# Altium PCB Blue Tractor_v3.3-2022.PcbDoc (part 1 of 3) (continued)
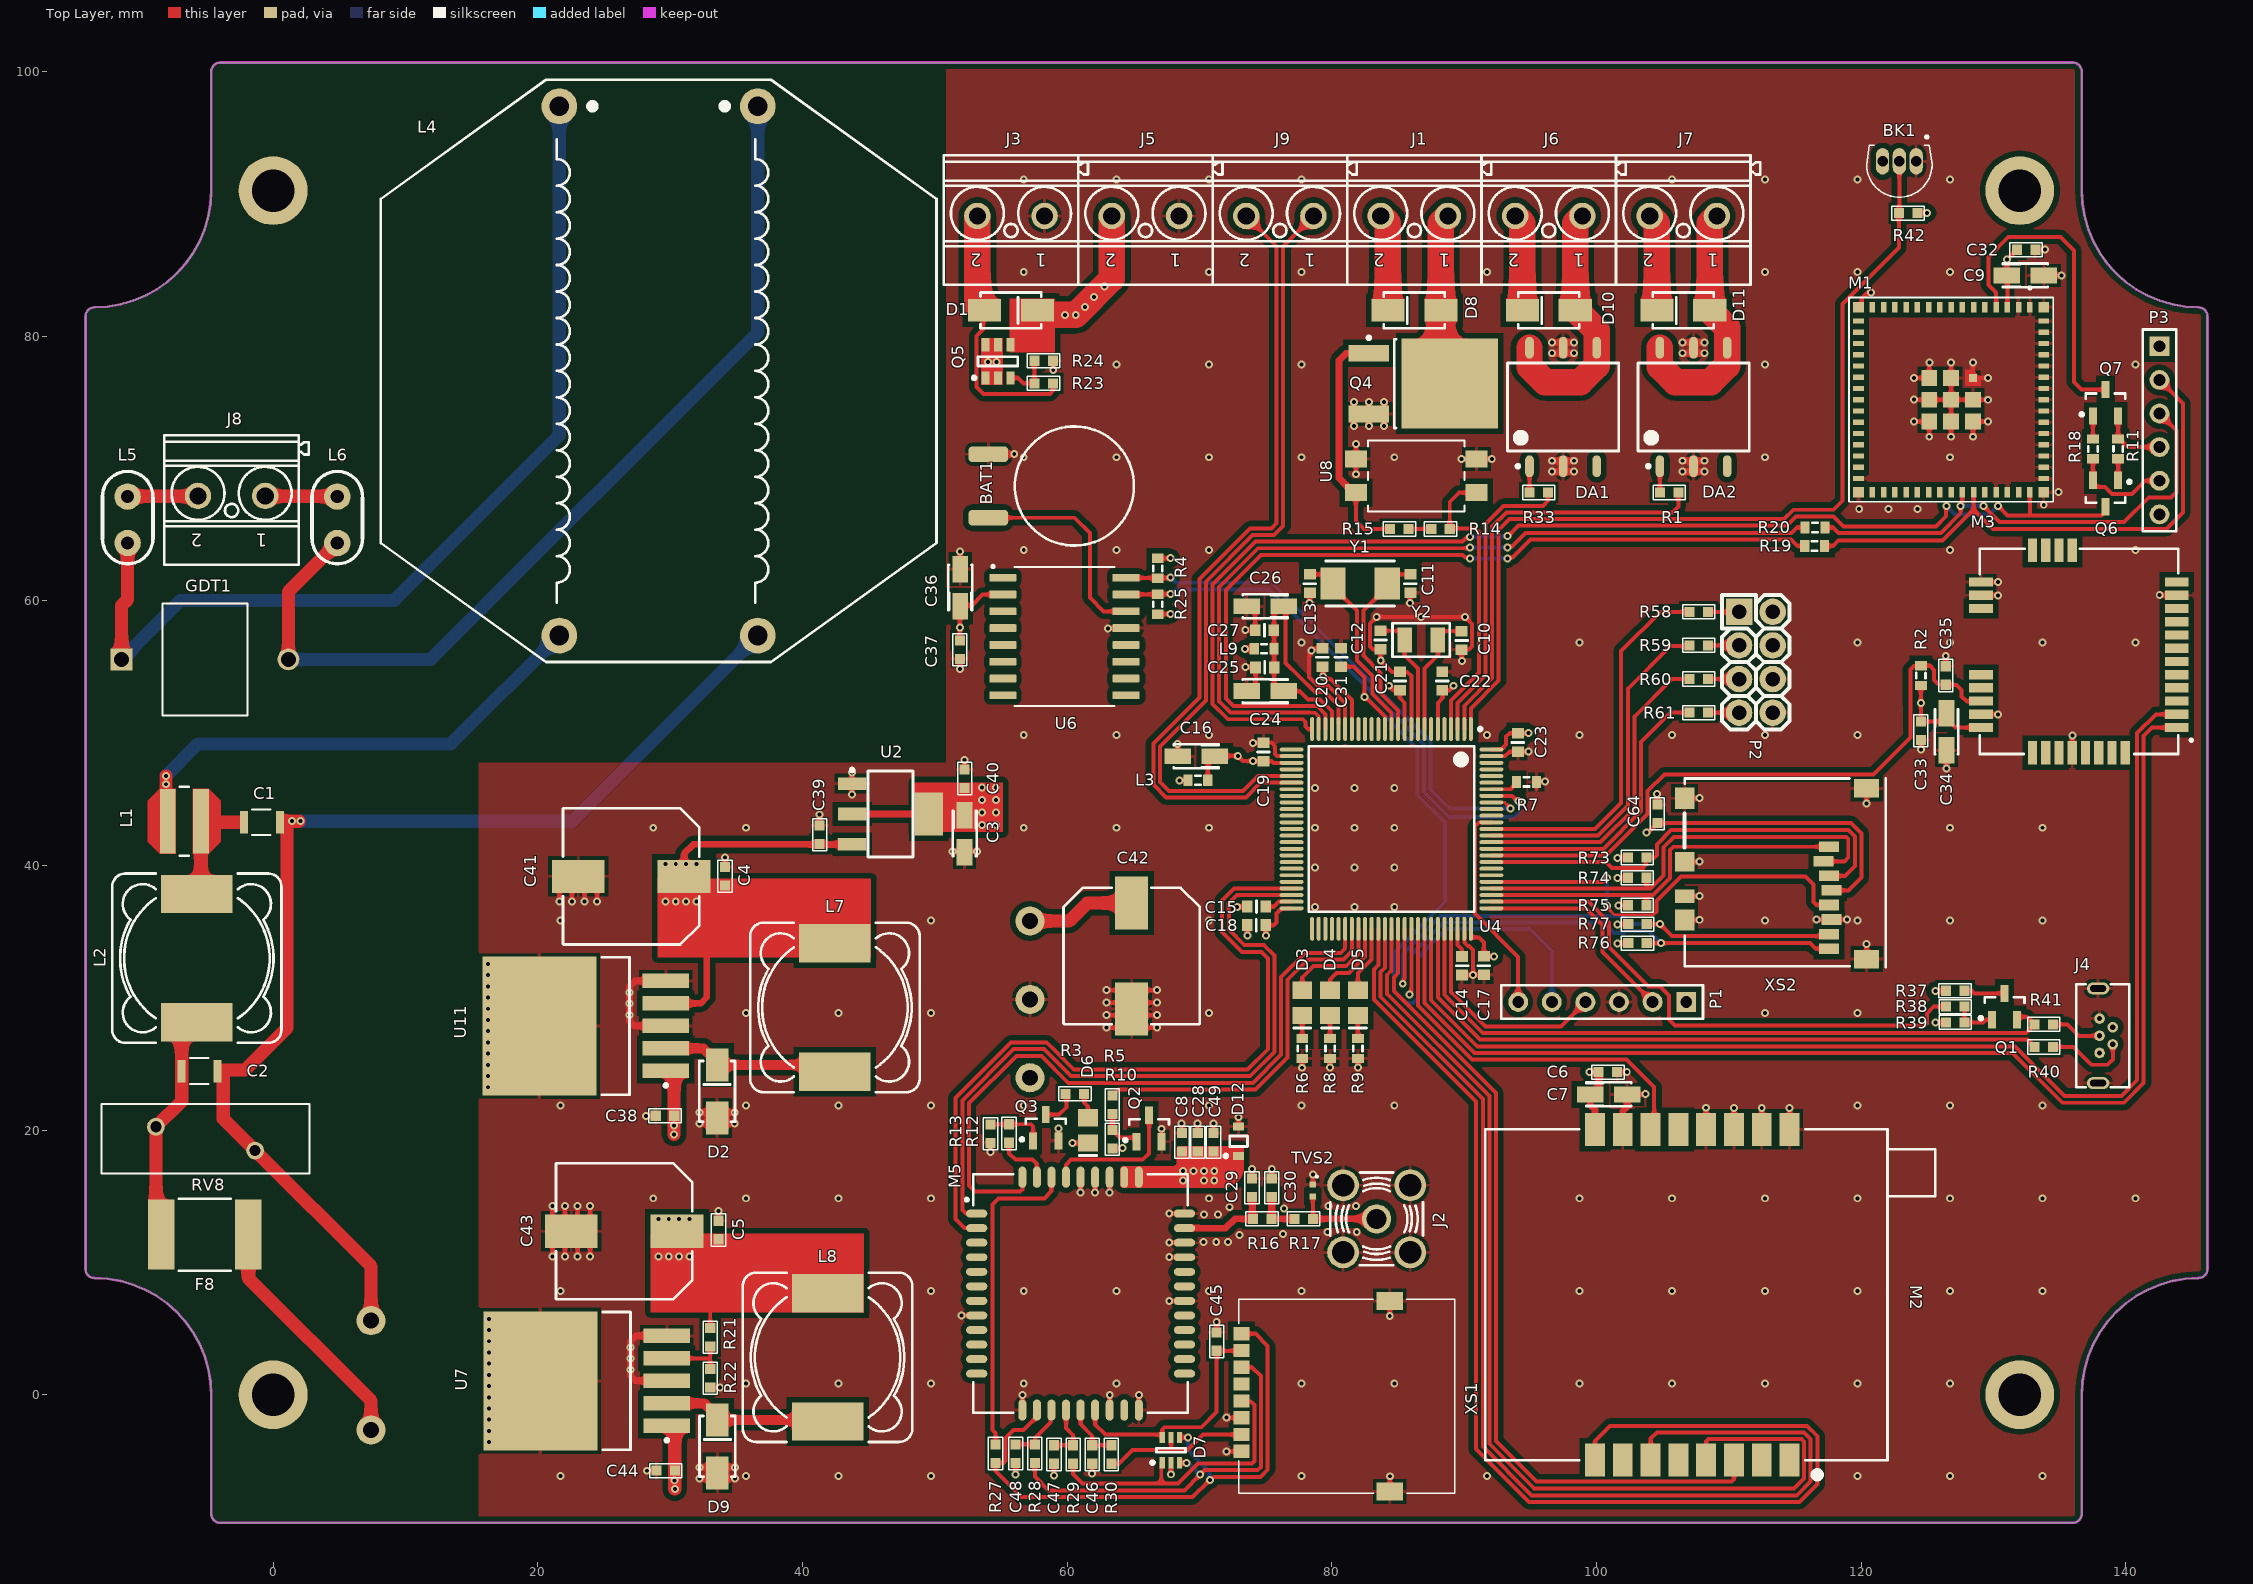
[diagram p0: Top Layer view]
## Part data (continued)
C4 C45: library part 1, "Chip Capacitor Nonpolar", Capacitance=100nF, Manufacturer=Kemet, Manufacturer Part Number=C0603C104K5RACTU, Operating Temperature="-55°C ~ 125°C", Package / Case="0603 (1608 Metric)", Ratings=-, Supplier Part Number 1=399-5089-1-ND, Temperature Coefficient=X7R, Tolerance=±10%, Voltage - Rated=50V, Applications="General Purpose", Category=Capacitors, ComponentLink1Description=http://www.kemet.com/docfinder?Partnumber=C0603C104K5RACTU, ComponentLink1URL=http://www.kemet.com/docfinder?Partnumber=C0603C104K5RACTU, Features=-, Height - Seated (Max)=-, Lead Spacing=-, Lead Style=-, Mounting Type="Surface Mount, MLCC", Packaging="Cut Tape (CT)", Pricing 1="1=0.1, 10=0.041, 50=0.0222, 100=0.0187, 250=0.01532, 500=0.0131, 1000=0.0102 (USD)", RoHS="RoHS Compliant", Size / Dimension="0.063\" L x 0.031\" W (1.60mm x 0.80mm)", Stock 1=3992655, Supplier 1=Digi-Key, Thickness (Max)="0.034\" (0.87mm)"
C5 C6 C8 C17 C18 C19 C20 C21 C22 C23 C29 C30 C31 C39 C40 C44 C64: library part 1, "Chip Capacitor Nonpolar", Capacitance=0.1µF, Manufacturer=Kemet, Manufacturer Part Number=C0603C104K5RACTU, Operating Temperature="-55°C ~ 125°C", Package / Case="0603 (1608 Metric)", Ratings=-, Supplier Part Number 1=399-5089-1-ND, Temperature Coefficient=X7R, Tolerance=±10%, Voltage - Rated=50V, Applications="General Purpose", Category=Capacitors, ComponentLink1Description=http://www.kemet.com/docfinder?Partnumber=C0603C104K5RACTU, ComponentLink1URL=http://www.kemet.com/docfinder?Partnumber=C0603C104K5RACTU, Features=-, Height - Seated (Max)=-, Lead Spacing=-, Lead Style=-, Mounting Type="Surface Mount, MLCC", Packaging="Cut Tape (CT)", Pricing 1="1=0.1, 10=0.041, 50=0.0222, 100=0.0187, 250=0.01532, 500=0.0131, 1000=0.0102 (USD)", RoHS="RoHS Compliant", Size / Dimension="0.063\" L x 0.031\" W (1.60mm x 0.80mm)", Stock 1=3992655, Supplier 1=Digi-Key, Thickness (Max)="0.034\" (0.87mm)"
C7 C9: library part 2, "CAP TANT 10UF 10% 16V 1206", Capacitance=10uF, Case Code (Imperial)=1206, Case Code (Metric)=3216, Dielectric Material=Tantalum, ESR (Equivalent Series Resistance)=3R, Leakage Current=1.6uA, Manufacturer="Vishay Sprague", Manufacturer Part Number=293D106X9016A2TE3, Max Operating Temperature=125°C, Min Operating Temperature=-55°C, Package Quantity=1, Ripple Current=160mA, Supplier Part Number 1=718-1123-1-ND, Tolerance=10%, Voltage=16V, Case/Package=1206, Category="Tantalum Capacitors", ComponentLink1Description=https://datasheet.ciiva.com/11793/0900766b80d97b37-11793412.pdf?src-supplier=RSComponents, ComponentLink1URL=https://datasheet.ciiva.com/11793/0900766b80d97b37-11793412.pdf?src-supplier=RSComponents, ComponentLink2Description=https://datasheet.ciiva.com/257/293d-257982.pdf?src-supplier=Digi-Key, ComponentLink2URL=https://datasheet.ciiva.com/257/293d-257982.pdf?src-supplier=Digi-Key, ComponentLink3Description=https://datasheet.ciiva.com/257/293d-257983.pdf?src-supplier=Digi-Key, ComponentLink3URL=https://datasheet.ciiva.com/257/293d-257983.pdf?src-supplier=Digi-Key, ComponentLink4Description=https://datasheet.ciiva.com/1463/293d-1463155.pdf?src-supplier=Element14, ComponentLink4URL=https://datasheet.ciiva.com/1463/293d-1463155.pdf?src-supplier=Element14, ComponentLink5Description=https://datasheet.ciiva.com/3003/293d-3003829.pdf?src-supplier=Avnet, ComponentLink5URL=https://datasheet.ciiva.com/3003/293d-3003829.pdf?src-supplier=Avnet, ComponentLink6Description=https://datasheet.ciiva.com/16308/293d-16308277.pdf?src-supplier=Future+Electronics, ComponentLink6URL=https://datasheet.ciiva.com/16308/293d-16308277.pdf?src-supplier=Future+Electronics, ComponentLink7Description=https://datasheet.ciiva.com/22695/1910915-22695111.pdf?src-supplier=Element14, ComponentLink7URL=https://datasheet.ciiva.com/22695/1910915-22695111.pdf?src-supplier=Element14, ComponentLink8Description=https://datasheet.ciiva.com/257/293d-257981.pdf?src-supplier=Digi-Key, ComponentLink8URL=https://datasheet.ciiva.com/257/293d-257981.pdf?src-supplier=Digi-Key, Depth=1.6mm, Dissipation Factor=6%, Features="General Purpose", Height=1.6mm, Height - Seated (Max)=0.071inch, Lead Free="Lead Free", Length=3.2mm, Mount="Surface Mount,PCB", Packaging="Tape and Reel", Polarity=Polar, Pricing 1="1=0,54000, 10=0,38000, 50=0,28720, 100=0,25010, 500=0,18524, 1000=0,15745 (USD)", Q Factor=6, Radiation Hardening=No, REACH SVHC=Unknown, RoHS=Yes, RoHS Compliant=Yes, Series="TANTAMOUNT® 293D", Stock 1=76138, Supplier 1=Digi-Key, Termination=SMD/SMT, Voltage Rating=16V, Voltage Rating (DC)=16V, Width=1.6mm
C10 C12: library part 1, "Chip Capacitor Nonpolar", Capacitance=12pF, Case Code (Imperial)=0603, Case Code (Metric)=1608, Dielectric=C0G, Dielectric Material=Ceramic, Manufacturer=KEMET, Manufacturer Part Number=C0603C120J5GAC-TU, Max Operating Temperature=125°C, Min Operating Temperature=-55°C, Supplier Part Number 1=399-1050-6-ND, Temperature Coefficient=30ppm/°C, Tolerance=5%, Voltage=50V, Case/Package=0603, ComponentLink1Description=https://datasheet.ciiva.com/144/docfinderpartnumber-c0603c120j5gactu-144403.pdf, ComponentLink1URL=https://datasheet.ciiva.com/144/docfinderpartnumber-c0603c120j5gactu-144403.pdf, ComponentLink2Description=https://datasheet.ciiva.com/6136/1725436-6136442.pdf, ComponentLink2URL=https://datasheet.ciiva.com/6136/1725436-6136442.pdf, ComponentLink3Description=https://datasheet.ciiva.com/7823/1725436-7823611.pdf, ComponentLink3URL=https://datasheet.ciiva.com/7823/1725436-7823611.pdf, ComponentLink4Description=https://datasheet.ciiva.com/14589/70095383-14589483.pdf, ComponentLink4URL=https://datasheet.ciiva.com/14589/70095383-14589483.pdf, ComponentLink5Description=https://datasheet.ciiva.com/28608/1372242-28608539.pdf, ComponentLink5URL=https://datasheet.ciiva.com/28608/1372242-28608539.pdf, ComponentLink6Description=https://datasheet.ciiva.com/7823/1725436-7823612.pdf, ComponentLink6URL=https://datasheet.ciiva.com/7823/1725436-7823612.pdf, ComponentLink7Description=https://datasheet.ciiva.com/14610/70095383-14610590.pdf, ComponentLink7URL=https://datasheet.ciiva.com/14610/70095383-14610590.pdf, ComponentLink8Description=https://datasheet.ciiva.com/28645/1789732-28645662.pdf, ComponentLink8URL=https://datasheet.ciiva.com/28645/1789732-28645662.pdf, Contact Material=Tin, Depth=0.8mm, Height=0.8mm, Lead Free="Lead Free", Lead Pitch=0.7mm, Length=1.6mm, Mount="Surface Mount,PCB", Number of Pins=2, Package Quantity=1, Packaging="Tape and Reel", Pricing 1="1=0.1, 10=0.055, 100=0.0247, 500=0.01764, 1000=0.01385 (USD)", Radiation Hardening=No, REACH SVHC="No SVHC", Stock 1=40000, Supplier 1=Digi-Key, Termination=SMD/SMT, Thickness=0.034inch, Voltage Rating=50V, Voltage Rating (DC)=50V, Weight=7.1E-05oz, Width=0.8mm
C11 C13: library part 1, "Chip Capacitor Nonpolar", Capacitance=28pF, Case Code (Imperial)=0603, Case Code (Metric)=1608, Dielectric=C0G, Dielectric Material=Ceramic, Manufacturer=KEMET, Manufacturer Part Number=C0603C180K5GACTU, Max Operating Temperature=125°C, Min Operating Temperature=-55°C, Supplier Part Number 1=399-7866-6-ND, Tolerance=10%, Voltage Rating=50V, Case/Package=0603, ComponentLink1Description=http://www.mouser.com/ds/2/212/KEM_C1003_C0G_SMD-1101588.pdf, ComponentLink1URL=http://www.mouser.com/ds/2/212/KEM_C1003_C0G_SMD-1101588.pdf, ComponentLink2Description=https://search.kemet.com/component-edge/download/datasheet/C0603C180K5GACTU.pdf, ComponentLink2URL=https://search.kemet.com/component-edge/download/datasheet/C0603C180K5GACTU.pdf, ComponentLink3Description=https://api.kemet.com/component-edge/download/datasheet/C0603C180K5GACTU.pdf, ComponentLink3URL=https://api.kemet.com/component-edge/download/datasheet/C0603C180K5GACTU.pdf, ComponentLink4Description=http://components.arrow.com/part/dataview/2088557S6525245N7429, ComponentLink4URL=http://components.arrow.com/part/dataview/2088557S6525245N7429, ComponentLink5Description=http://capacitoredge.kemet.com/capedge2/DataSheet?pn=C0603C180K5GAC7867, ComponentLink5URL=http://capacitoredge.kemet.com/capedge2/DataSheet?pn=C0603C180K5GAC7867, Depth=0.8mm, Height=0.8mm, Lead Free="Lead Free", Lead Pitch=0.7mm, Length=1.6mm, Mount="Surface Mount", Package Quantity=1, Packaging="Tape and Reel", Pricing 1="1=0.1, 10=0.071, 100=0.0317, 500=0.02262, 1000=0.01777 (USD)", Radiation Hardening=No, REACH SVHC="No SVHC", Stock 1=40000, Supplier 1=Digi-Key, Termination=SMD/SMT, Thickness=0.034inch, Voltage Rating (DC)=50V, Width=0.031inch
C14 C15: library part 1, "Chip Capacitor Nonpolar", Capacitance=2.2uF, Case Code (Imperial)=0805, Case Code (Metric)=2012, Manufacturer=Samsung, Manufacturer Part Number=CL21A225KAFNNNG, Max Operating Temperature=85°C, Min Operating Temperature=-55°C, Package Quantity=3000, Supplier Part Number 1=1276-6458-6-ND, Tolerance=10%, Voltage Rating=25V, Case/Package=0805, ComponentLink1Description=http://www.kemet.com/docfinder?Partnumber=C0603C104K5RACTU, ComponentLink1URL=http://www.kemet.com/docfinder?Partnumber=C0603C104K5RACTU, ComponentLink2Description=https://datasheet.ciiva.com/25730/cl21a225kafnnng-25730829.pdf, ComponentLink2URL=https://datasheet.ciiva.com/25730/cl21a225kafnnng-25730829.pdf, ComponentLink3Description=https://datasheet.ciiva.com/29199/455579-da-01-en-vs-kondensator-0805-29199247.pdf, ComponentLink3URL=https://datasheet.ciiva.com/29199/455579-da-01-en-vs-kondensator-0805-29199247.pdf, Length=0.079inch, Material=Ceramic, Mount="Surface Mount", Packaging="Tape and Reel", Pricing 1="1=0.14, 10=0.103, 100=0.0458, 500=0.03268, 1000=0.02568 (USD)", Stock 1=8820, Supplier 1=Digi-Key, Thickness=0.053inch, Width=0.049inch
C16: library part 2, "Tantalum Capacitor", Capacitance=10µF, ESR (Equivalent Series Resistance)="7 Ohm", Lifetime @ Temp.="2000 Hrs @ 85°C", Manufacturer=Kemet, Manufacturer Part Number=T491A106K016AT, Manufacturer Size Code=A, Operating Temperature="-55°C ~ 125°C", Package / Case="1206 (3216 Metric)", Supplier Part Number 1=399-8269-1-ND, Tolerance=±10%, Voltage - Rated=16V, Category=Capacitors, ComponentLink1Description=http://www.kemet.com/Lists/ProductCatalog/Attachments/254/KEM_T2005_T491.pdf, ComponentLink1URL=http://www.kemet.com/Lists/ProductCatalog/Attachments/254/KEM_T2005_T491.pdf, Features="General Purpose", Height - Seated (Max)="0.071\" (1.80mm)", Lead Spacing=-, Mounting Type="Surface Mount", Packaging="Cut Tape (CT)", Pricing 1="1=0.41, 10=0.362, 50=0.2198, 100=0.181, 250=0.14476, 500=0.13184, 1000=0.11891 (USD)", RoHS="RoHS Compliant", Size / Dimension="0.126\" L x 0.063\" W (3.20mm x 1.60mm)", Stock 1=46669, Supplier 1=Digi-Key, Type=Molded
C24 C26: library part 2, "Tantalum Capacitor", Capacitance=1uF, Case Code (Imperial)=1206, Case Code (Metric)=3216, Dielectric Material=Tantalum, ESR (Equivalent Series Resistance)=9.3R, Leakage Current=500nA, Manufacturer="Vishay Sprague", Manufacturer Part Number=293D105X9016A2TE3, Max Operating Temperature=125°C, Min Operating Temperature=-55°C, Package Quantity=1, Ripple Current=90mA, Supplier Part Number 1=718-1113-6-ND, Tolerance=10%, Voltage=16V, Case/Package=1206, ComponentLink1Description=http://www.kemet.com/Lists/ProductCatalog/Attachments/254/KEM_T2005_T491.pdf, ComponentLink1URL=http://www.kemet.com/Lists/ProductCatalog/Attachments/254/KEM_T2005_T491.pdf, ComponentLink2Description=https://datasheet.ciiva.com/11793/0900766b80d97b37-11793487.pdf, ComponentLink2URL=https://datasheet.ciiva.com/11793/0900766b80d97b37-11793487.pdf, ComponentLink3Description=https://datasheet.ciiva.com/26328/453930-da-01-en-smd-kondensator-293d105x9016a2te3-2000st-26328789.pdf, ComponentLink3URL=https://datasheet.ciiva.com/26328/453930-da-01-en-smd-kondensator-293d105x9016a2te3-2000st-26328789.pdf, ComponentLink4Description=https://datasheet.ciiva.com/257/293d-257909.pdf, ComponentLink4URL=https://datasheet.ciiva.com/257/293d-257909.pdf, ComponentLink5Description=https://datasheet.ciiva.com/257/293d-257910.pdf, ComponentLink5URL=https://datasheet.ciiva.com/257/293d-257910.pdf, ComponentLink6Description=https://datasheet.ciiva.com/16199/293d-16199270.pdf, ComponentLink6URL=https://datasheet.ciiva.com/16199/293d-16199270.pdf, ComponentLink7Description=https://datasheet.ciiva.com/257/293d-257911.pdf, ComponentLink7URL=https://datasheet.ciiva.com/257/293d-257911.pdf, ComponentLink8Description=https://datasheet.ciiva.com/3003/293d-3003799.pdf, ComponentLink8URL=https://datasheet.ciiva.com/3003/293d-3003799.pdf, ComponentLink9Description=https://datasheet.ciiva.com/11244/293d-11244087.pdf, ComponentLink9URL=https://datasheet.ciiva.com/11244/293d-11244087.pdf, ComponentLink10Description=https://datasheet.ciiva.com/46382/1910915-46382039.pdf, ComponentLink10URL=https://datasheet.ciiva.com/46382/1910915-46382039.pdf, ComponentLink11Description=https://datasheet.ciiva.com/3003/293d-3003800.pdf, ComponentLink11URL=https://datasheet.ciiva.com/3003/293d-3003800.pdf, ComponentLink12Description=https://datasheet.ciiva.com/18445/70212567-18445480.pdf, ComponentLink12URL=https://datasheet.ciiva.com/18445/70212567-18445480.pdf, ComponentLink13Description=https://datasheet.ciiva.com/1463/438417-1463146.pdf, ComponentLink13URL=https://datasheet.ciiva.com/1463/438417-1463146.pdf, ComponentLink14Description=https://datasheet.ciiva.com/12884/293d-239871-12884475.pdf, ComponentLink14URL=https://datasheet.ciiva.com/12884/293d-239871-12884475.pdf, ComponentLink15Description=https://datasheet.ciiva.com/22695/438417-22695102.pdf, ComponentLink15URL=https://datasheet.ciiva.com/22695/438417-22695102.pdf, ComponentLink16Description=https://datasheet.ciiva.com/6071/1748031-6071279.pdf, ComponentLink16URL=https://datasheet.ciiva.com/6071/1748031-6071279.pdf, Depth=1.6mm, Dissipation Factor=4%, Features="General Purpose", Height=1.6mm, Height - Seated (Max)=0.071inch, Lead Free="Lead Free", Length=3.2mm, Mount="Surface Mount,PCB", Packaging="Tape and Reel", Polarity=Polar, Pricing 1="1=0.33, 10=0.228, 100=0.1369, 500=0.1027, 1000=0.08672 (USD)", Radiation Hardening=No, REACH SVHC=Unknown, Stock 1=0, Supplier 1=Digi-Key, Termination=SMD/SMT, Voltage Rating=16V, Voltage Rating (DC)=16V, Width=1.6mm
C25 C27: library part 1, "Chip Capacitor Nonpolar", Capacitance=10nF, Case Code (Imperial)=0603, Case Code (Metric)=1608, Manufacturer=Samsung, Manufacturer Part Number=CL10B103KB8WPNC, Max Operating Temperature=125°C, Min Operating Temperature=-55°C, Supplier Part Number 1=1276-6841-6-ND, Tolerance=10%, Voltage Rating=50V, Case/Package=0603, ComponentLink1Description=http://www.kemet.com/docfinder?Partnumber=C0603C104K5RACTU, ComponentLink1URL=http://www.kemet.com/docfinder?Partnumber=C0603C104K5RACTU, Lead Free="Lead Free", Length=0.063inch, Mount="Surface Mount", Packaging="Tape and Reel", Pricing 1="1=0.1, 10=0.076, 100=0.0338, 500=0.02416, 1000=0.01898 (USD)", Stock 1=11590, Supplier 1=Digi-Key, Thickness=0.035inch, Width=0.031inch
C28: library part 1, "Chip Capacitor Nonpolar", Capacitance=33pF, Manufacturer=Kemet, Manufacturer Part Number=C0603C104K5RACTU, Operating Temperature="-55°C ~ 125°C", Package / Case="0603 (1608 Metric)", Ratings=-, Supplier Part Number 1=399-5089-1-ND, Temperature Coefficient=X7R, Tolerance=±10%, Voltage - Rated=50V, Applications="General Purpose", Category=Capacitors, ComponentLink1Description=http://www.kemet.com/docfinder?Partnumber=C0603C104K5RACTU, ComponentLink1URL=http://www.kemet.com/docfinder?Partnumber=C0603C104K5RACTU, Features=-, Height - Seated (Max)=-, Lead Spacing=-, Lead Style=-, Mounting Type="Surface Mount, MLCC", Packaging="Cut Tape (CT)", Pricing 1="1=0.1, 10=0.041, 50=0.0222, 100=0.0187, 250=0.01532, 500=0.0131, 1000=0.0102 (USD)", RoHS="RoHS Compliant", Size / Dimension="0.063\" L x 0.031\" W (1.60mm x 0.80mm)", Stock 1=3992655, Supplier 1=Digi-Key, Thickness (Max)="0.034\" (0.87mm)"
C32: "Capacitor"
C33 C35: library part 1, "Cap Ceramic 0.1uF 50VDC X7R 10% SMD 0603 Paper T/R", Capacitance=100nF, Case/Package=0603, Case Code (Metric)=1608, Dielectric=X7R, Manufacturer=Samsung, Manufacturer Part Number=CL10B104KB8NNNC, Max Operating Temperature=125°C, Min Operating Temperature=-55°C, Supplier Part Number 1=1276-1000-1-ND, Tolerance=10%, Voltage=50V, Case Code (Imperial)=0603, Category="Ceramic Capacitors", ComponentLink1Description=http://www.kemet.com/docfinder?Partnumber=C0603C104K5RACTU, ComponentLink1URL=http://www.kemet.com/docfinder?Partnumber=C0603C104K5RACTU, ComponentLink2Description=https://datasheet.ciiva.com/25803/cl10b104kb8nnnc-25803393.pdf?src-supplier=Digi-Key, ComponentLink2URL=https://datasheet.ciiva.com/25803/cl10b104kb8nnnc-25803393.pdf?src-supplier=Digi-Key, ComponentLink3Description=https://datasheet.ciiva.com/26838/getdatasheetpartid-89097-26838411.pdf?src-supplier=Verical, ComponentLink3URL=https://datasheet.ciiva.com/26838/getdatasheetpartid-89097-26838411.pdf?src-supplier=Verical, ComponentLink4Description=https://datasheet.ciiva.com/29198/456651-da-01-en-vs-kondensator-0605-29198839.pdf?src-supplier=Conrad, ComponentLink4URL=https://datasheet.ciiva.com/29198/456651-da-01-en-vs-kondensator-0605-29198839.pdf?src-supplier=Conrad, Contact Plating=Tin, Depth=0.8mm, Height=0.8mm, Lead Free="Lead Free", Length=1.6mm, Material=Ceramic, Mount="Surface Mount", Package Quantity=1, Packaging="Tape and Reel", Pricing 1="1=0,10000, 10=0,03200, 50=0,01720, 100=0,01410, 500=0,01008, 1000=0,00793 (USD)", Radiation Hardening=No, RoHS=Yes, Stock 1=17279119, Supplier 1=Digi-Key, Thickness=0.035inch, Voltage Rating=50V, Voltage Rating (DC)=50V, Width=0.031inch
C34: library part 2, "CAP TANT 10UF 10% 16V 1206", Capacitance=10uF, Case/Package=1206, Case Code (Metric)=3216, Dielectric Material=Tantalum, ESR (Equivalent Series Resistance)=3R, Leakage Current=1.6uA, Manufacturer="Vishay Sprague", Manufacturer Part Number=293D106X9016A2TE3, Max Operating Temperature=125°C, Min Operating Temperature=-55°C, Package Quantity=1, Ripple Current=160mA, Supplier Part Number 1=718-1123-1-ND, Tolerance=10%, Voltage=16V, Case Code (Imperial)=1206, Category="Tantalum Capacitors", ComponentLink1Description=https://datasheet.ciiva.com/11793/0900766b80d97b37-11793412.pdf?src-supplier=RSComponents, ComponentLink1URL=https://datasheet.ciiva.com/11793/0900766b80d97b37-11793412.pdf?src-supplier=RSComponents, ComponentLink2Description=https://datasheet.ciiva.com/257/293d-257982.pdf?src-supplier=Digi-Key, ComponentLink2URL=https://datasheet.ciiva.com/257/293d-257982.pdf?src-supplier=Digi-Key, ComponentLink3Description=https://datasheet.ciiva.com/257/293d-257983.pdf?src-supplier=Digi-Key, ComponentLink3URL=https://datasheet.ciiva.com/257/293d-257983.pdf?src-supplier=Digi-Key, ComponentLink4Description=https://datasheet.ciiva.com/1463/293d-1463155.pdf?src-supplier=Element14, ComponentLink4URL=https://datasheet.ciiva.com/1463/293d-1463155.pdf?src-supplier=Element14, ComponentLink5Description=https://datasheet.ciiva.com/3003/293d-3003829.pdf?src-supplier=Avnet, ComponentLink5URL=https://datasheet.ciiva.com/3003/293d-3003829.pdf?src-supplier=Avnet, ComponentLink6Description=https://datasheet.ciiva.com/16308/293d-16308277.pdf?src-supplier=Future+Electronics, ComponentLink6URL=https://datasheet.ciiva.com/16308/293d-16308277.pdf?src-supplier=Future+Electronics, ComponentLink7Description=https://datasheet.ciiva.com/22695/1910915-22695111.pdf?src-supplier=Element14, ComponentLink7URL=https://datasheet.ciiva.com/22695/1910915-22695111.pdf?src-supplier=Element14, ComponentLink8Description=https://datasheet.ciiva.com/257/293d-257981.pdf?src-supplier=Digi-Key, ComponentLink8URL=https://datasheet.ciiva.com/257/293d-257981.pdf?src-supplier=Digi-Key, Depth=1.6mm, Dissipation Factor=6%, Features="General Purpose", Height=1.6mm, Height - Seated (Max)=0.071inch, Lead Free="Lead Free", Length=3.2mm, Mount="Surface Mount,PCB", Packaging="Tape and Reel", Polarity=Polar, Pricing 1="1=0,54000, 10=0,38000, 50=0,28720, 100=0,25010, 500=0,18524, 1000=0,15745 (USD)", Q Factor=6, Radiation Hardening=No, REACH SVHC=Unknown, RoHS=Yes, RoHS Compliant=Yes, Series="TANTAMOUNT® 293D", Stock 1=76138, Supplier 1=Digi-Key, Termination=SMD/SMT, Voltage Rating=16V, Voltage Rating (DC)=16V, Width=1.6mm
C36: library part 4, "Aluminium SMD Capacitors", Capacitance=1uF, Case/Package=Radial, Leakage Current=3uA, Manufacturer=Panasonic, Manufacturer Part Number=EEE-1VA331P, Max Operating Temperature=85°C, Min Operating Temperature=-40°C, Package Quantity=500, Ripple Current=350mA, Supplier Part Number 1=PCE3959DKR-ND, Tolerance=20%, Voltage Rating=35V, ComponentLink1Description=https://datasheet.ciiva.com/16389/aba0000ce2-16389541.pdf, ComponentLink1URL=https://datasheet.ciiva.com/16389/aba0000ce2-16389541.pdf, ComponentLink2Description=https://datasheet.ciiva.com/30235/11aba0000ce2-30235093.pdf, ComponentLink2URL=https://datasheet.ciiva.com/30235/11aba0000ce2-30235093.pdf, ComponentLink3Description=https://datasheet.ciiva.com/46374/aba0000ce2-46374421.pdf, ComponentLink3URL=https://datasheet.ciiva.com/46374/aba0000ce2-46374421.pdf, ComponentLink4Description=https://datasheet.ciiva.com/43470/aba0000ce2-43470694.pdf, ComponentLink4URL=https://datasheet.ciiva.com/43470/aba0000ce2-43470694.pdf, ComponentLink5Description=https://datasheet.ciiva.com/14593/70255710-14593929.pdf, ComponentLink5URL=https://datasheet.ciiva.com/14593/70255710-14593929.pdf, ComponentLink6Description=https://datasheet.ciiva.com/24025/aba0000ce2-40801-24025561.pdf, ComponentLink6URL=https://datasheet.ciiva.com/24025/aba0000ce2-40801-24025561.pdf, ComponentLink7Description=https://datasheet.ciiva.com/14599/70255710-14599770.pdf, ComponentLink7URL=https://datasheet.ciiva.com/14599/70255710-14599770.pdf, ComponentLink8Description=https://datasheet.ciiva.com/17534/aba0000ce2-17534540.pdf, ComponentLink8URL=https://datasheet.ciiva.com/17534/aba0000ce2-17534540.pdf, ComponentLink9Description=https://datasheet.ciiva.com/31414/aba0000ce2-31414702.pdf, ComponentLink9URL=https://datasheet.ciiva.com/31414/aba0000ce2-31414702.pdf, Contact Plating=Tin, Diameter=10mm, Height=10.2mm, Height - Seated (Max)=0.402inch, Lead Free="Lead Free", Length=10.5mm, Life (Hours)=2000Hour, Mount="Surface Mount,PCB", Packaging="Tape and Reel", Polarity=Polar, Pricing 1="1=0.65, 10=0.482, 100=0.3304 (USD)", Radiation Hardening=No, REACH SVHC="No SVHC", Ripple Current (AC)=350mA, Stock 1=40084, Supplier 1=Digi-Key, Termination=SMD/SMT, Voltage Rating (DC)=35V
C37: library part 1, "Chip Capacitor Nonpolar", Capacitance=100nF, Case/Package=0603, Case Code (Metric)=1608, Dielectric=X7R, Manufacturer=Samsung, Manufacturer Part Number=CL10B104KB8NNNC, Max Operating Temperature=125°C, Min Operating Temperature=-55°C, Supplier Part Number 1=1276-1000-1-ND, Tolerance=10%, Voltage=50V, Case Code (Imperial)=0603, ComponentLink1Description=http://www.kemet.com/docfinder?Partnumber=C0603C104K5RACTU, ComponentLink1URL=http://www.kemet.com/docfinder?Partnumber=C0603C104K5RACTU, ComponentLink2Description=https://datasheet.ciiva.com/25803/cl10b104kb8nnnc-25803393.pdf?src-supplier=Digi-Key, ComponentLink2URL=https://datasheet.ciiva.com/25803/cl10b104kb8nnnc-25803393.pdf?src-supplier=Digi-Key, ComponentLink3Description=https://datasheet.ciiva.com/26838/getdatasheetpartid-89097-26838411.pdf?src-supplier=Verical, ComponentLink3URL=https://datasheet.ciiva.com/26838/getdatasheetpartid-89097-26838411.pdf?src-supplier=Verical, ComponentLink4Description=https://datasheet.ciiva.com/29198/456651-da-01-en-vs-kondensator-0605-29198839.pdf?src-supplier=Conrad, ComponentLink4URL=https://datasheet.ciiva.com/29198/456651-da-01-en-vs-kondensator-0605-29198839.pdf?src-supplier=Conrad, Contact Plating=Tin, Depth=0.8mm, Height=0.8mm, Lead Free="Lead Free", Length=1.6mm, Material=Ceramic, Mount="Surface Mount", Package Quantity=1, Packaging="Tape and Reel", Pricing 1="1 = 0,10000, 10 = 0,02800, 100 = 0,01230, 500 = 0,00878, 1000 = 0,00690 (USD)", Radiation Hardening=No, RoHS=Yes, Stock 1=17762403, Supplier 1=Digi-Key, Thickness=0.035inch, Voltage Rating=50V, Voltage Rating (DC)=50V, Width=0.031inch
C38: library part 1, "Capacitor 0603", Capacitance=0.047µF, Manufacturer=Kemet, Manufacturer Part Number=C0603C473K5RACTU, Operating Temperature="-55°C ~ 125°C", Package / Case="0603 (1608 Metric)", Ratings=-, Supplier Part Number 1=399-7933-1-ND, Temperature Coefficient=X7R, Tolerance=±10%, Voltage - Rated=50V, Applications="General Purpose", Category=Capacitors, ComponentLink1Description=http://www.kemet.com/docfinder?Partnumber=C0603C473K5RACTU, ComponentLink1URL=http://www.kemet.com/docfinder?Partnumber=C0603C473K5RACTU, Features=-, Height - Seated (Max)=-, Lead Spacing=-, Lead Style=-, Mounting Type="Surface Mount, MLCC", Packaging="Cut Tape (CT)", Pricing 1="1=0.1, 10=0.059, 25=0.0416, 50=0.0318, 100=0.0269, 250=0.02204, 1000=0.0144 (USD)", RoHS="RoHS Compliant", Size / Dimension="0.063\" L x 0.031\" W (1.60mm x 0.80mm)", Stock 1=66523, Supplier 1=Digi-Key, Thickness (Max)="0.034\" (0.87mm)"
C41 C43: library part 4, "Aluminium SMD Capacitors", Capacitance=330uF, Case/Package=Radial, Leakage Current=3uA, Manufacturer=Panasonic, Manufacturer Part Number=EEE-1VA331P, Max Operating Temperature=85°C, Min Operating Temperature=-40°C, Package Quantity=500, Ripple Current=350mA, Supplier Part Number 1=PCE3959DKR-ND, Tolerance=20%, Voltage=35V, ComponentLink1Description=https://datasheet.ciiva.com/16389/aba0000ce2-16389541.pdf, ComponentLink1URL=https://datasheet.ciiva.com/16389/aba0000ce2-16389541.pdf, ComponentLink2Description=https://datasheet.ciiva.com/30235/11aba0000ce2-30235093.pdf, ComponentLink2URL=https://datasheet.ciiva.com/30235/11aba0000ce2-30235093.pdf, ComponentLink3Description=https://datasheet.ciiva.com/46374/aba0000ce2-46374421.pdf, ComponentLink3URL=https://datasheet.ciiva.com/46374/aba0000ce2-46374421.pdf, ComponentLink4Description=https://datasheet.ciiva.com/43470/aba0000ce2-43470694.pdf, ComponentLink4URL=https://datasheet.ciiva.com/43470/aba0000ce2-43470694.pdf, ComponentLink5Description=https://datasheet.ciiva.com/14593/70255710-14593929.pdf, ComponentLink5URL=https://datasheet.ciiva.com/14593/70255710-14593929.pdf, ComponentLink6Description=https://datasheet.ciiva.com/24025/aba0000ce2-40801-24025561.pdf, ComponentLink6URL=https://datasheet.ciiva.com/24025/aba0000ce2-40801-24025561.pdf, ComponentLink7Description=https://datasheet.ciiva.com/14599/70255710-14599770.pdf, ComponentLink7URL=https://datasheet.ciiva.com/14599/70255710-14599770.pdf, ComponentLink8Description=https://datasheet.ciiva.com/17534/aba0000ce2-17534540.pdf, ComponentLink8URL=https://datasheet.ciiva.com/17534/aba0000ce2-17534540.pdf, ComponentLink9Description=https://datasheet.ciiva.com/31414/aba0000ce2-31414702.pdf, ComponentLink9URL=https://datasheet.ciiva.com/31414/aba0000ce2-31414702.pdf, Contact Plating=Tin, Diameter=10mm, Height=10.2mm, Height - Seated (Max)=0.402inch, Lead Free="Lead Free", Length=10.5mm, Life (Hours)=2000Hour, Mount="Surface Mount,PCB", Packaging="Tape and Reel", Polarity=Polar, Pricing 1="1=0.65, 10=0.482, 100=0.3304 (USD)", Radiation Hardening=No, REACH SVHC="No SVHC", Ripple Current (AC)=350mA, Stock 1=40084, Supplier 1=Digi-Key, Termination=SMD/SMT, Voltage Rating=35V, Voltage Rating (DC)=35V
C42: library part 4, "Aluminium SMD Capacitors", Capacitance=470uF, Case/Package=Radial, Dielectric Material=Aluminium, Leakage Current=3uA, Manufacturer=Nichicon, Manufacturer Part Number=UCL1V471MNL1GS, Max Operating Temperature=105°C, Min Operating Temperature=-55°C, Package Quantity=1, Ripple Current=1.19A, Supplier Part Number 1=493-3961-6-ND, Tolerance=20%, Voltage Rating=35V, ComponentLink1Description=https://datasheet.ciiva.com/30521/getdatasheetpartid-743876-30521937.pdf, ComponentLink1URL=https://datasheet.ciiva.com/30521/getdatasheetpartid-743876-30521937.pdf, ComponentLink2Description=https://datasheet.ciiva.com/98/e-cl-98467.pdf, ComponentLink2URL=https://datasheet.ciiva.com/98/e-cl-98467.pdf, ComponentLink3Description=https://datasheet.ciiva.com/98/e-cl-98468.pdf, ComponentLink3URL=https://datasheet.ciiva.com/98/e-cl-98468.pdf, ComponentLink4Description=https://datasheet.ciiva.com/98/e-cl-98469.pdf, ComponentLink4URL=https://datasheet.ciiva.com/98/e-cl-98469.pdf, ComponentLink5Description=https://datasheet.ciiva.com/22661/1910939-22661894.pdf, ComponentLink5URL=https://datasheet.ciiva.com/22661/1910939-22661894.pdf, ComponentLink6Description=https://datasheet.ciiva.com/28458/1910939-28458006.pdf, ComponentLink6URL=https://datasheet.ciiva.com/28458/1910939-28458006.pdf, ComponentLink7Description=https://datasheet.ciiva.com/6153/e-cl-6153975.pdf, ComponentLink7URL=https://datasheet.ciiva.com/6153/e-cl-6153975.pdf, ComponentLink8Description=https://datasheet.ciiva.com/11683/e-cl-11683743.pdf, ComponentLink8URL=https://datasheet.ciiva.com/11683/e-cl-11683743.pdf, ComponentLink9Description=https://datasheet.ciiva.com/16502/e-cl-16502287.pdf, ComponentLink9URL=https://datasheet.ciiva.com/16502/e-cl-16502287.pdf, Diameter=10mm, Dissipation Factor=0.12%, Height=13.5mm, Height - Seated (Max)=0.531inch, Impedance=60mR, Lead Free="Lead Free", Length=13.5mm, Life (Hours)=2000Hour, Material=Aluminium, Mount="Surface Mount", Number of Pins=2, Packaging="Tape and Reel", Pricing 1="1=0.98, 10=0.747, 100=0.5345 (USD)", Radiation Hardening=No, REACH SVHC="No SVHC", Ripple Current (AC)=1.19A, Stock 1=25815, Supplier 1=Digi-Key, Termination=SMD/SMT, Voltage Rating (DC)=35V
C46 C47 C48: library part 1, "Chip Capacitor Nonpolar", Capacitance=22pF, Manufacturer=Kemet, Manufacturer Part Number=C0603C104K5RACTU, Operating Temperature="-55°C ~ 125°C", Package / Case="0603 (1608 Metric)", Ratings=-, Supplier Part Number 1=399-5089-1-ND, Temperature Coefficient=X7R, Tolerance=±10%, Voltage - Rated=50V, Applications="General Purpose", Category=Capacitors, ComponentLink1Description=http://www.kemet.com/docfinder?Partnumber=C0603C104K5RACTU, ComponentLink1URL=http://www.kemet.com/docfinder?Partnumber=C0603C104K5RACTU, Features=-, Height - Seated (Max)=-, Lead Spacing=-, Lead Style=-, Mounting Type="Surface Mount, MLCC", Packaging="Cut Tape (CT)", Pricing 1="1=0.1, 10=0.041, 50=0.0222, 100=0.0187, 250=0.01532, 500=0.0131, 1000=0.0102 (USD)", RoHS="RoHS Compliant", Size / Dimension="0.063\" L x 0.031\" W (1.60mm x 0.80mm)", Stock 1=3992655, Supplier 1=Digi-Key, Thickness (Max)="0.034\" (0.87mm)"
C49: library part 1, "Chip Capacitor Nonpolar", Capacitance=10pF, Manufacturer=Kemet, Manufacturer Part Number=C0603C104K5RACTU, Operating Temperature="-55°C ~ 125°C", Package / Case="0603 (1608 Metric)", Ratings=-, Supplier Part Number 1=399-5089-1-ND, Temperature Coefficient=X7R, Tolerance=±10%, Voltage - Rated=50V, Applications="General Purpose", Category=Capacitors, ComponentLink1Description=http://www.kemet.com/docfinder?Partnumber=C0603C104K5RACTU, ComponentLink1URL=http://www.kemet.com/docfinder?Partnumber=C0603C104K5RACTU, Features=-, Height - Seated (Max)=-, Lead Spacing=-, Lead Style=-, Mounting Type="Surface Mount, MLCC", Packaging="Cut Tape (CT)", Pricing 1="1=0.1, 10=0.041, 50=0.0222, 100=0.0187, 250=0.01532, 500=0.0131, 1000=0.0102 (USD)", RoHS="RoHS Compliant", Size / Dimension="0.063\" L x 0.031\" W (1.60mm x 0.80mm)", Stock 1=3992655, Supplier 1=Digi-Key, Thickness (Max)="0.034\" (0.87mm)"
D1 D2 D8 D9 D10 D11: "Schottky Rectifier", Average Rectified Current=3A, Capacitance=250pF, Case/Package=SMA, Forward Voltage=500mV, Manufacturer=Diodes, Manufacturer Part Number=B340A-13-F, Max Forward Surge Current (Ifsm)=80A, Max Operating Temperature=125°C, Max Repetitive Reverse Voltage (Vrrm)=40V, Min Operating Temperature=-55°C, Package Quantity=5000, Peak Reverse Current=500uA, Supplier Part Number 1=B340A-FDIDKR-ND, ComponentLink1Description="Manufacturer Link", ComponentLink1URL=http://www.irf.com/, ComponentLink2Description=Datasheet, ComponentLink2URL=http://www.irf.com/product-info/datasheets/data/18tq.pdf, ComponentLink3Description=https://datasheet.ciiva.com/4245/861ds30891-4245763.pdf, ComponentLink3URL=https://datasheet.ciiva.com/4245/861ds30891-4245763.pdf, ComponentLink4Description=https://datasheet.ciiva.com/26949/getdatasheetpartid-143394-26949352.pdf, ComponentLink4URL=https://datasheet.ciiva.com/26949/getdatasheetpartid-143394-26949352.pdf, ComponentLink5Description=https://datasheet.ciiva.com/1177/ds30891-1177476.pdf, ComponentLink5URL=https://datasheet.ciiva.com/1177/ds30891-1177476.pdf, ComponentLink6Description=https://datasheet.ciiva.com/1240/ds30891-1240228.pdf, ComponentLink6URL=https://datasheet.ciiva.com/1240/ds30891-1240228.pdf, ComponentLink7Description=https://datasheet.ciiva.com/913/ds30891-913637.pdf, ComponentLink7URL=https://datasheet.ciiva.com/913/ds30891-913637.pdf, ComponentLink8Description=https://datasheet.ciiva.com/913/ds30891-913638.pdf, ComponentLink8URL=https://datasheet.ciiva.com/913/ds30891-913638.pdf, ComponentLink9Description=https://datasheet.ciiva.com/913/ds30891-913639.pdf, ComponentLink9URL=https://datasheet.ciiva.com/913/ds30891-913639.pdf, ComponentLink10Description=https://datasheet.ciiva.com/46393/1911813-46393773.pdf, ComponentLink10URL=https://datasheet.ciiva.com/46393/1911813-46393773.pdf, Contact Plating=Tin,Matte, Current=3A, Current Rating=3A, Element Configuration=Single, Forward Current=3A, Height=2.3mm, Lead Free="Lead Free", Length=4.6mm, Max Reverse Voltage (DC)=40V, Mount="Surface Mount", Number of Pins=2, Output Current=3A, Packaging="Tape and Reel", Peak Non-Repetitive Surge Current=80A, Polarity=Standard, Pricing 1="1=0.46, 10=0.373, 100=0.2538, 500=0.19034, 1000=0.14276 (USD)", Radiation Hardening=No, REACH SVHC="No SVHC", Stock 1=761735, Supplier 1=Digi-Key, Termination=SMD/SMT, Voltage=40V, Voltage Rating (DC)=40V, Weight=0.002258oz, Width=2.92mm
D3 D4 D5 D6: library part 3, "Led 0805", Case/Package=0805, Case Code (Metric)=2012, Colour=Green, Forward Current=30mA, Forward Voltage=2.1V, Lens Colour=Clear,Colorless, Manufacturer="Vishay Lite-On", Manufacturer Part Number=LTST-S220GKT, Max Operating Temperature=85°C, Min Operating Temperature=-55°C, Package Quantity=1, Power Dissipation=100mW, Reverse Voltage=5V, Supplier Part Number 1=160-1218-6-ND, Test Current=20mA, Case Code (Imperial)=0805, ComponentLink1Description=https://datasheet.ciiva.com/2110/ltst-s220gkt-2110016.pdf, ComponentLink1URL=https://datasheet.ciiva.com/2110/ltst-s220gkt-2110016.pdf, ComponentLink2Description=https://datasheet.ciiva.com/11775/0900766b80dc0b6e-11775442.pdf, ComponentLink2URL=https://datasheet.ciiva.com/11775/0900766b80dc0b6e-11775442.pdf, ComponentLink3Description=https://datasheet.ciiva.com/15118/getdatasheetpartid-221136-15118117.pdf, ComponentLink3URL=https://datasheet.ciiva.com/15118/getdatasheetpartid-221136-15118117.pdf, ComponentLink4Description=https://datasheet.ciiva.com/2110/ltst-s220gkt-2110017.pdf, ComponentLink4URL=https://datasheet.ciiva.com/2110/ltst-s220gkt-2110017.pdf, ComponentLink5Description=https://datasheet.ciiva.com/16444/ltst-s220gkt-16444773.pdf, ComponentLink5URL=https://datasheet.ciiva.com/16444/ltst-s220gkt-16444773.pdf, Depth=0.6mm, Dominant Wavelength=569nm, Height=0.6mm, ID=3, Illumination Colour=Green, Lead Free="Lead Free", Length=2.1mm, Lens Style=Clear,Diffused,Colorless,Rectangular, Lens Transparency=Clear, Luminous Intensity=10mcd, Mount="Surface Mount", Number of Elements=1, Number of LEDs=1, Number of Pins=2, Packaging="Tape and Reel", Power Rating=100mW, Pricing 1="1=0.27, 10=0.199, 25=0.1464, 100=0.1045, 250=0.07108, 500=0.0627, 1000=0.04912 (USD)", Radiation Hardening=No, Stock 1=87001, Supplier 1=Digi-Key, Viewing Angle=130°, Wavelength=565nm, Width=1mm
D7: "5-Line Transient Voltage  Suppressor Array", Capacitance @ Frequency="80pF @ 1MHz", Current - Peak Pulse (10/1000µs)="8A (8/20µs)", Manufacturer="ON Semiconductor", Operating Temperature="-40°C ~ 125°C", Package / Case="6-TSSOP, SC-88, SOT-363", Power - Peak Pulse=100W, Power Line Protection=No, Supplier Device Package=SC-88/SC70-6/SOT-363, Supplier Part Number 1=SMF05CT1GOSCT-ND, Voltage - Breakdown (Min)=6.2V, Voltage - Clamping (Max) @ Ipp=12.5V, Voltage - Reverse Standoff (Typ)="5V (Max)", Applications="General Purpose", Bidirectional Channels=-, Category="Circuit Protection", ComponentLink1Description=http://www.onsemi.com/pub_link/Collateral/SMF05C-D.PDF, ComponentLink1URL=http://www.onsemi.com/pub_link/Collateral/SMF05C-D.PDF, Manufacturer Part Number=SMF05CT1G, Mounting Type="Surface Mount", Packaging="Cut Tape (CT)", Pricing 1="1=0.59, 10=0.413, 25=0.3392, 100=0.2709, 250=0.19736, 500=0.16026, 1000=0.12319 (USD)", RoHS="RoHS Compliant", Stock 1=13951, Supplier 1=Digi-Key, Type=Zener, Unidirectional Channels=5
D12: "SMAZ16-13-F", Manufacturer="Diodes Incorporated", Maximum Operating Temperature="+ 150 C", Minimum Operating Temperature="- 65 C", Package / Case=SMA-2, Pd - Power Dissipation="1 W", Supplier Part Number=SMAZ16-FDICT-ND, Vz - Zener Voltage="16 V", Zener Current="0.5 uA", Manufacturer Part Number=SMAZ16-13-F, Mounting Style=SMD/SMT, Product Category="Zener Diodes"
DA1 DA2: "LCA715S-TTP"